# KiCad board Nearfield RP2040.kicad_pcb
title: Royal Nearfield PCB; date: 2024-01-07; rev: v1.00; company: Tweety's Wild Thinking; note: Markus Knutsson <markus.knutsson@tweety.se>; note: https://github.com/TweetyDaBird; note: Licensed under Creative Commons BY-SA 4.0 International
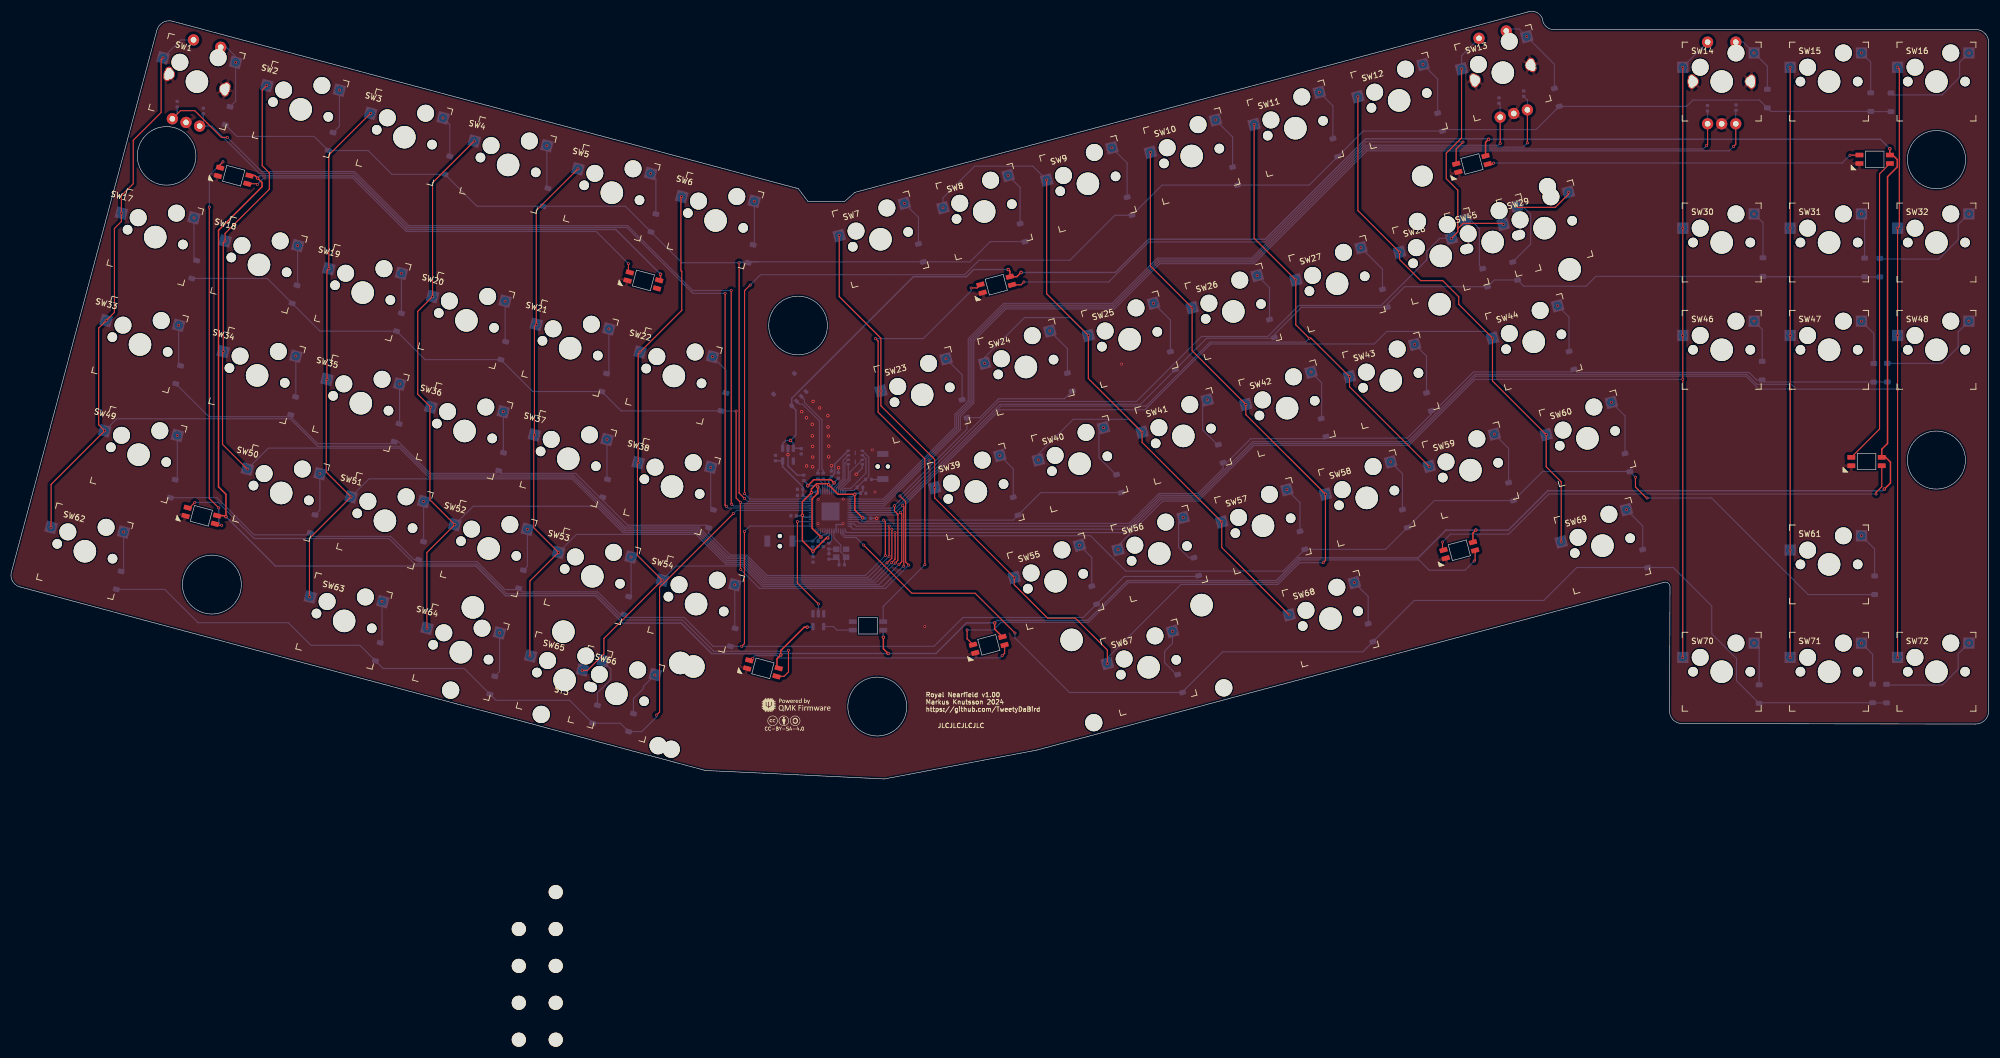
[diagram p0: board, top side]
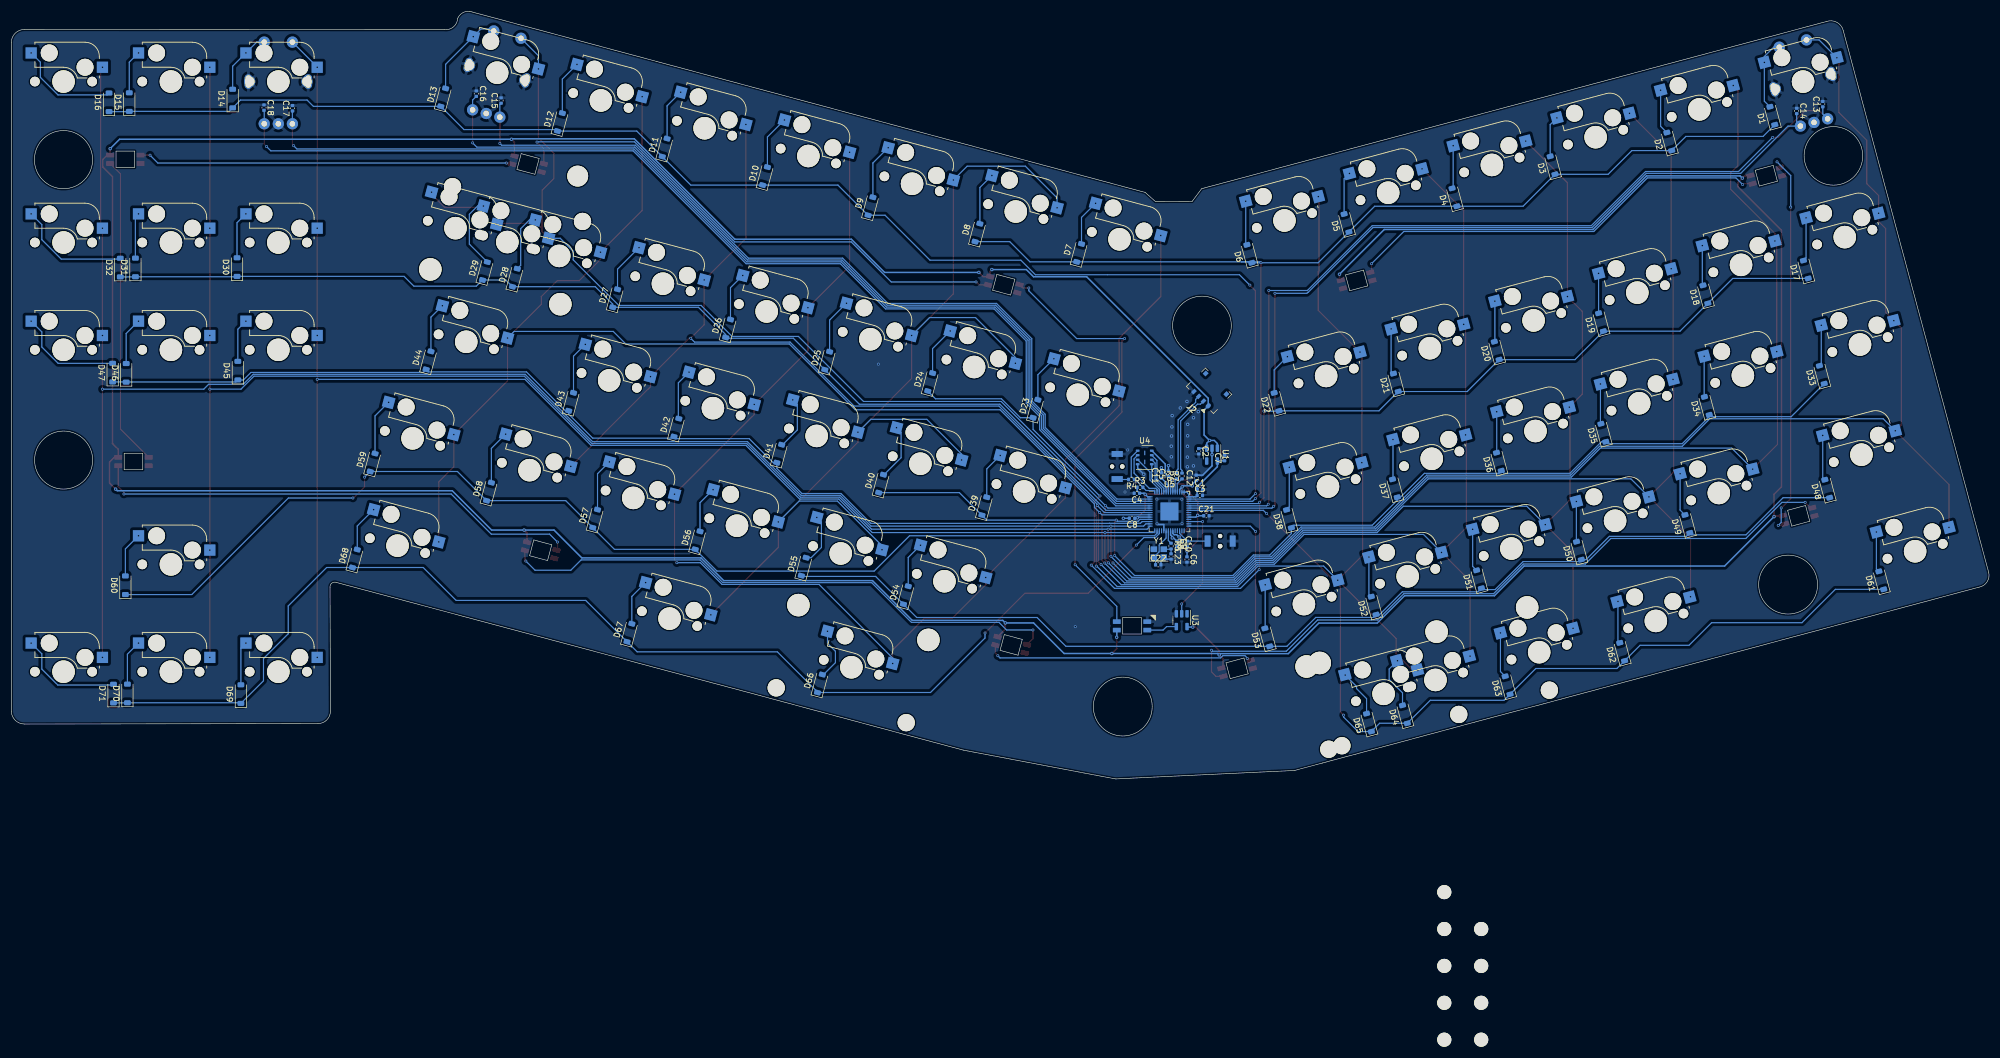
[diagram p1: board, bottom side, seen from below]

Outline 350.8 x 136.29 mm; copper layers: Top, Bottom. Coordinates in mm from the lower left corner of the outline.
Outline path: circle c27.55,110.62 r5.2 ; circle c35.59,34.5 r5.23 ; circle c139.57,80.5 r5.21 ; circle c153.62,12.85 r5.22 ; circle c341.52,56.61 r5.15 ; circle c341.54,109.95 r5.16 ; 271.61,135.02 arc(270.76,136) 269.49,136.29 149.65,104.14 147.85,102.53 141.31,102.54 139.63,104.79 28.8,134.46 arc(26.95,134.33) 25.81,132.86 0,36.63 arc(0.3,34.97) 1.71,34.05 75.8,14.19 78.95,13.34 91.29,10.06 95.34,8.96 112.33,4.39 118.15,2.83 123.14,1.5 154.87,0 181.89,5.11 190.98,7.54 217.87,14.77 293.09,34.88 arc(293.93,34.77) 294.26,33.99 294.18,12.06 arc(294.82,10.48) 296.39,9.82 348.46,9.75 arc(350.1,10.41) 350.8,12.03 350.8,130.73 arc(350.11,132.38) 348.46,133.06 273.99,133.04 arc(272.37,133.51) 271.61,135.02
Stack: Top 0.035mm / dielectric 1.51mm FR4 er 4.5 / Bottom 0.035mm

## Placement (name value [footprint] x y rotation side)
C1  1uF  [C_0402_1005Metric]  139.94 51.42 180 bottom
C2  1uF  [C_0402_1005Metric]  140.14 58.17 270 bottom
C3  100nF  [C_0402_1005Metric]  139.95 50.32 180 bottom
C4  100nF  [C_0402_1005Metric]  151.12 50.71 0 bottom
C5  100nF  [C_0402_1005Metric]  145.52 54.15 90 bottom
C6  100nF  [C_0402_1005Metric]  142.24 38.96 270 bottom
C7  1uF  [C_0402_1005Metric]  135.57 56.96 90 bottom
C8  100nF  [C_0402_1005Metric]  151.98 46.28 0 bottom
C9  100nF  [C_0402_1005Metric]  144.04 41.72 270 bottom
C10  1uF  [C_0402_1005Metric]  143.12 41.72 270 bottom
C11  100nF  [C_0402_1005Metric]  146.73 53.86 90 bottom
C12  100nF  [C_0402_1005Metric]  140.6 53.45 90 bottom
C13  100nF  [C_0402_1005Metric]  29.44 119.8 90 bottom
C14  100nF  [C_0402_1005Metric]  34.07 118.59 270 bottom
C15  100nF  [C_0402_1005Metric]  263.91 120.44 90 bottom
C16  100nF  [C_0402_1005Metric]  268.31 121.66 270 bottom
C17  100nF  [C_0402_1005Metric]  300.91 119.07 90 bottom
C18  100nF  [C_0402_1005Metric]  305.97 119.18 270 bottom
C21  100nF  [C_0402_1005Metric]  138.79 46.72 180 bottom
C22  30pF  [C_0402_1005Metric]  147.33 38.01 180 bottom
C23  30pF  [C_0402_1005Metric]  145.06 39.49 270 bottom
D1  1N4148W  [D_SOD-123]  38.38 117.74 75 bottom
D2  1N4148W  [D_SOD-123]  56.66 113.16 75 bottom
D3  1N4148W  [D_SOD-123]  77.37 108.94 75 bottom
D4  1N4148W  [D_SOD-123]  94.78 103.27 75 bottom
D5  1N4148W  [D_SOD-123]  113.93 98.7 75 bottom
D6  1N4148W  [D_SOD-123]  131.17 93.23 75 bottom
D7  1N4148W  [D_SOD-123]  161.37 93.39 105 bottom
D8  1N4148W  [D_SOD-123]  179.4 96.98 105 bottom
D9  1N4148W  [D_SOD-123]  198.38 101.68 105 bottom
D10  1N4148W  [D_SOD-123]  217.09 107.03 105 bottom
D11  1N4148W  [D_SOD-123]  234.89 112.09 105 bottom
D12  1N4148W  [D_SOD-123]  253.47 116.61 105 bottom
D13  1N4148W  [D_SOD-123]  274.18 121 105 bottom
D14  1N4148W  [D_SOD-123]  311.53 120.79 90 bottom
D15  1N4148W  [D_SOD-123]  329.87 120.17 90 bottom
D16  1N4148W  [D_SOD-123]  333.46 120.13 90 bottom
D17  1N4148W  [D_SOD-123]  32.45 90.45 75 bottom
D18  1N4148W  [D_SOD-123]  50.26 86.03 75 bottom
D19  1N4148W  [D_SOD-123]  68.78 81.09 75 bottom
D20  1N4148W  [D_SOD-123]  87.28 76.03 75 bottom
D21  1N4148W  [D_SOD-123]  105.18 70.37 75 bottom
D22  1N4148W  [D_SOD-123]  126.34 66.94 75 bottom
D23  1N4148W  [D_SOD-123]  169.11 65.72 105 bottom
D24  1N4148W  [D_SOD-123]  187.79 70.46 105 bottom
D25  1N4148W  [D_SOD-123]  206.06 74.25 105 bottom
D26  1N4148W  [D_SOD-123]  223.64 79.97 105 bottom
D27  1N4148W  [D_SOD-123]  243.68 85.33 105 bottom
D28  1N4148W  [D_SOD-123]  261.46 88.99 105 bottom
D29  1N4148W  [D_SOD-123]  266.78 90.17 105 bottom
D30  1N4148W  [D_SOD-123]  310.75 90.87 90 bottom
D31  1N4148W  [D_SOD-123]  328.78 90.81 90 bottom
D32  1N4148W  [D_SOD-123]  331.47 90.78 90 bottom
D33  1N4148W  [D_SOD-123]  29.61 71.77 75 bottom
D34  1N4148W  [D_SOD-123]  50.01 66.24 75 bottom
D35  1N4148W  [D_SOD-123]  68.37 61.46 75 bottom
D36  1N4148W  [D_SOD-123]  86.9 56.32 75 bottom
D37  1N4148W  [D_SOD-123]  105.35 51.6 75 bottom
D38  1N4148W  [D_SOD-123]  124.14 46.19 75 bottom
D39  1N4148W  [D_SOD-123]  178.18 48.42 105 bottom
D40  1N4148W  [D_SOD-123]  196.5 52.42 105 bottom
D41  1N4148W  [D_SOD-123]  214.56 57.75 105 bottom
D42  1N4148W  [D_SOD-123]  232.81 62.38 105 bottom
D43  1N4148W  [D_SOD-123]  251.49 66.96 105 bottom
D44  1N4148W  [D_SOD-123]  276.78 74.31 105 bottom
D45  1N4148W  [D_SOD-123]  310.61 72.48 90 bottom
D46  1N4148W  [D_SOD-123]  330.42 72.09 90 bottom
D47  1N4148W  [D_SOD-123]  332.82 72.13 90 bottom
D48  1N4148W  [D_SOD-123]  28.65 51.52 75 bottom
D49  1N4148W  [D_SOD-123]  53.46 45.27 75 bottom
D50  1N4148W  [D_SOD-123]  72.7 40.52 75 bottom
D51  1N4148W  [D_SOD-123]  90.43 35.45 75 bottom
D52  1N4148W  [D_SOD-123]  109.11 30.77 75 bottom
D53  1N4148W  [D_SOD-123]  127.99 25.14 75 bottom
D54  1N4148W  [D_SOD-123]  192.11 32.62 105 bottom
D55  1N4148W  [D_SOD-123]  210.22 37.69 105 bottom
D56  1N4148W  [D_SOD-123]  229.05 42.36 105 bottom
D57  1N4148W  [D_SOD-123]  247.23 46.22 105 bottom
D58  1N4148W  [D_SOD-123]  266.06 51.01 105 bottom
D59  1N4148W  [D_SOD-123]  286.7 56.18 105 bottom
D60  1N4148W  [D_SOD-123]  330.56 34.39 90 bottom
D61  1N4148W  [D_SOD-123]  19.06 35.25 75 bottom
D62  1N4148W  [D_SOD-123]  65.03 22.57 75 bottom
D63  1N4148W  [D_SOD-123]  85.35 16.62 75 bottom
D64  1N4148W  [D_SOD-123]  103.57 11.48 75 bottom
D65  1N4148W  [D_SOD-123]  109.95 10 75 bottom
D66  1N4148W  [D_SOD-123]  207.35 16.94 105 bottom
D67  1N4148W  [D_SOD-123]  241.14 25.96 105 bottom
D68  1N4148W  [D_SOD-123]  289.85 39.13 105 bottom
D69  1N4148W  [D_SOD-123]  310.07 15.06 90 bottom
D70  1N4148W  [D_SOD-123]  330.2 15.17 90 bottom
D71  1N4148W  [D_SOD-123]  332.67 15.15 90 bottom
ENC1  RotaryEncoder_Switch  [Encoder_Alps_EC11E_Small]  32.94 123.8 75 top
ENC2  RotaryEncoder_Switch  [Encoder_Alps_EC11E_Small]  264.6 125.39 105 top
ENC3  RotaryEncoder_Switch  [Encoder_Alps_EC11E_Small]  303.43 123.81 90 top
H1  Spacer_PCB  [Spacer PCB hole]  250.32 107.02 0 top
H2  Spacer_PCB  [Spacer Plate hole]  90.04 -26.65 0 top
H3  Spacer_PCB  [Spacer Plate hole]  90.04 -33.2 0 top
H4  Spacer_PCB  [Spacer Plate hole]  90.04 -39.75 0 top
H5  Spacer_PCB  [Spacer Plate hole]  90.04 -46.3 0 top
H6  Spacer_PCB  [Spacer Plate hole]  96.59 -20.1 0 top
H7  Spacer_PCB  [Spacer Plate hole]  96.59 -26.65 0 top
H8  Spacer_PCB  [Spacer Plate hole]  96.59 -33.2 0 top
H9  Spacer_PCB  [Spacer Plate hole]  96.59 -39.75 0 top
H10  Spacer_PCB  [Spacer Plate hole]  96.59 -46.3 0 top
J2  Conn_01x04  [MOLEX_781710004]  139.73 67.5 45 bottom
Logo1  QMK_Logo  [Powered_by_QMK]  139.26 13.14 0 top
Logo2  CC-BY-SA-4.0  [CC_BY_SA_40_tiny]  137.06 10.32 0 top
R3  10K  [R_0402_1005Metric]  150.56 51.77 180 bottom
R4  1K  [R_0402_1005Metric]  152.08 53.16 0 bottom
R5  1K  [R_0402_1005Metric]  145.06 41.34 270 bottom
R6  27R  [R_0402_1005Metric]  144.05 53.78 90 bottom
R7  27R  [R_0402_1005Metric]  143.11 53.78 90 bottom
R8  10K  [R_0402_1005Metric]  142.19 41.71 90 bottom
RGB1  SK6812MINI-E  [RGB_SK6812MINI-E]  151.98 27.17 180 top
RGB2  SK6812MINI-E  [RGB_SK6812MINI-E]  174.74 87.74 195 bottom
RGB3  SK6812MINI-E  [RGB_SK6812MINI-E]  259.12 109.18 195 bottom
RGB4  SK6812MINI-E  [RGB_SK6812MINI-E]  330.56 110.01 180 bottom
RGB5  SK6812MINI-E  [RGB_SK6812MINI-E]  329.12 56.35 180 bottom
RGB6  SK6812MINI-E  [RGB_SK6812MINI-E]  256.88 40.6 195 bottom
RGB7  SK6812MINI-E  [RGB_SK6812MINI-E]  173.42 23.8 195 bottom
RGB8  SK6812MINI-E  [RGB_SK6812MINI-E]  133.34 19.63 165 bottom
RGB9  SK6812MINI-E  [RGB_SK6812MINI-E]  33.72 46.71 165 bottom
RGB10  SK6812MINI-E  [RGB_SK6812MINI-E]  39.46 107.09 165 bottom
RGB11  SK6812MINI-E  [RGB_SK6812MINI-E]  112.14 88.5 165 bottom
RS1  -  [YTSA010]  154.61 55.46 270 bottom
RS2  -  [YTSA010]  136.35 42.22 0 bottom
ST1  Stabilizer_2u_MX  [Stabilizer_Cherry_MX_2.00u]  262.8 95.32 15 top
ST2  Stabilizer_2u_MX  [Stabilizer_Cherry_MX_2.00u]  107.35 15.11 165 top
ST3  Stabilizer_2u_MX  [Stabilizer_Cherry_MX_3.00u]  98.15 17.57 165 top
ST4  Stabilizer_2u_MX  [Stabilizer_Cherry_MX_2.00u]  201.76 19.83 195 top
SW1  ~  [SW_MX_HotSwap_FOR ENCODER]  32.94 123.8 345 top
SW2  ~  [SW_MX_HotSwap]  51.34 118.87 345 top
SW3  ~  [SW_MX_HotSwap]  69.74 113.94 345 top
SW4  ~  [SW_MX_HotSwap]  88.14 109.01 345 top
SW5  ~  [SW_MX_HotSwap]  106.54 104.08 345 top
SW6  ~  [SW_MX_HotSwap]  124.94 99.15 345 top
SW7  ~  [SW_MX_HotSwap]  154.2 95.8 15 top
SW8  ~  [SW_MX_HotSwap]  172.6 100.73 15 top
SW9  ~  [SW_MX_HotSwap]  191 105.66 15 top
SW10  ~  [SW_MX_HotSwap]  209.4 110.6 15 top
SW11  ~  [SW_MX_HotSwap]  227.8 115.53 15 top
SW12  ~  [SW_MX_HotSwap]  246.2 120.46 15 top
SW13  ~  [SW_MX_HotSwap_FOR ENCODER]  264.6 125.39 15 top
SW14  ~  [SW_MX_HotSwap_FOR ENCODER]  303.43 123.81 0 top
SW15  ~  [SW_MX_HotSwap]  322.48 123.81 0 top
SW16  ~  [SW_MX_HotSwap]  341.53 123.81 0 top
SW17  ~  [SW_MX_HotSwap]  25.54 96.2 345 top
SW18  ~  [SW_MX_HotSwap]  43.94 91.27 345 top
SW19  ~  [SW_MX_HotSwap]  62.34 86.34 345 top
SW20  ~  [SW_MX_HotSwap]  80.74 81.41 345 top
SW21  ~  [SW_MX_HotSwap]  99.14 76.47 345 top
SW22  ~  [SW_MX_HotSwap]  117.54 71.54 345 top
SW23  ~  [SW_MX_HotSwap]  161.59 68.2 15 top
SW24  ~  [SW_MX_HotSwap]  179.99 73.13 15 top
SW25  ~  [SW_MX_HotSwap]  198.4 78.06 15 top
SW26  ~  [SW_MX_HotSwap]  216.8 82.99 15 top
SW27  ~  [SW_MX_HotSwap]  235.2 87.92 15 top
SW28  ~  [SW_MX_HotSwap]  253.6 92.85 15 top
SW29  ~  [SW_MX_HotSwap]  272 97.79 15 top
SW30  ~  [SW_MX_HotSwap]  303.43 95.24 0 top
SW31  ~  [SW_MX_HotSwap]  322.48 95.24 0 top
SW32  ~  [SW_MX_HotSwap]  341.53 95.24 0 top
SW33  ~  [SW_MX_HotSwap]  22.84 77.12 345 top
SW34  ~  [SW_MX_HotSwap]  43.61 71.63 345 top
SW35  ~  [SW_MX_HotSwap]  62.01 66.7 345 top
SW36  ~  [SW_MX_HotSwap]  80.41 61.77 345 top
SW37  ~  [SW_MX_HotSwap]  98.81 56.84 345 top
SW38  ~  [SW_MX_HotSwap]  117.21 51.91 345 top
SW39  ~  [SW_MX_HotSwap]  171.12 51.03 15 top
SW40  ~  [SW_MX_HotSwap]  189.53 55.96 15 top
SW41  ~  [SW_MX_HotSwap]  207.93 60.9 15 top
SW42  ~  [SW_MX_HotSwap]  226.33 65.83 15 top
SW43  ~  [SW_MX_HotSwap]  244.73 70.76 15 top
SW44  ~  [SW_MX_HotSwap]  270.09 77.61 15 top
SW45  ~  [SW_MX_HotSwap]  262.8 95.32 15 top
SW46  ~  [SW_MX_HotSwap]  303.43 76.19 0 top
SW47  ~  [SW_MX_HotSwap]  322.48 76.19 0 top
SW48  ~  [SW_MX_HotSwap]  341.53 76.19 0 top
SW49  ~  [SW_MX_HotSwap]  22.58 57.57 345 top
SW50  ~  [SW_MX_HotSwap]  47.88 50.77 345 top
SW51  ~  [SW_MX_HotSwap]  66.28 45.84 345 top
SW52  ~  [SW_MX_HotSwap]  84.68 40.91 345 top
SW53  ~  [SW_MX_HotSwap]  103.08 35.97 345 top
SW54  ~  [SW_MX_HotSwap]  121.48 31.04 345 top
SW55  ~  [SW_MX_HotSwap]  185.26 35.1 15 top
SW56  ~  [SW_MX_HotSwap]  203.66 40.03 15 top
SW57  ~  [SW_MX_HotSwap]  222.06 44.96 15 top
SW58  ~  [SW_MX_HotSwap]  240.46 49.89 15 top
SW59  ~  [SW_MX_HotSwap]  258.86 54.82 15 top
SW60  ~  [SW_MX_HotSwap]  279.61 60.47 15 top
SW61  ~  [SW_MX_HotSwap]  322.48 38.09 0 top
SW62  ~  [SW_MX_HotSwap]  13.06 40.42 345 top
SW63  ~  [SW_MX_HotSwap]  59.05 28.05 345 top
SW64  ~  [SW_MX_HotSwap]  79.75 22.5 345 top
SW65  ~  [SW_MX_HotSwap]  98.15 17.57 345 top
SW66  ~  [SW_MX_HotSwap]  107.35 15.11 345 top
SW67  ~  [SW_MX_HotSwap]  201.76 19.83 15 top
SW68  ~  [SW_MX_HotSwap]  234.02 28.46 15 top
SW69  ~  [SW_MX_HotSwap]  282.28 41.42 15 top
SW70  ~  [SW_MX_HotSwap]  303.43 19.04 0 top
SW71  ~  [SW_MX_HotSwap]  322.48 19.04 0 top
SW72  ~  [SW_MX_HotSwap]  341.53 19.04 0 top
U1  SPX3819M5-L-3-3/TR  [SOT-23-5]  137.79 57.57 270 bottom
U3  SN74LV1T34DBV  [SOT-23-5]  143.17 28.18 270 bottom
U4  W25Q32JVUUIQ  [USON-8_4x3mm_P0.8mm]  149.73 57.07 180 bottom
U5  RP2040  [QFN-56-1EP_7x7mm_P0.4mm_EP3.2x3.2mm]  145.34 47.49 180 bottom
Y1  TXM12M0004252LBCEO00T  [Crystal_SMD_2520-4Pin_2.5x2.0mm]  147.22 40.07 180 bottom

## Library data of the parts
C1 C2 C7 C10 = -: Description: Unpolarized capacitor; LCSC: C52923
C3-C6 C8 C9 C11 C12 C21 = -: Description: Unpolarized capacitor; LCSC: C1525
C13-C18 = -: Description: Unpolarized capacitor, small symbol; LCSC: C1525
C22 C23 = -: Description: Unpolarized capacitor; LCSC: C1570
D1-D71 = -: Description: 75V 0.15A Fast Switching Diode, SOD-123; LCSC: C81598
ENC1-ENC3 = -: Description: Rotary encoder, dual channel, incremental quadrate outputs, with switch
J2 = -: Description: Generic connector, single row, 01x04, script generated (kicad-library-utils/schlib/autogen/connector/); LCSC: C588524
R3 R8 = -: Description: Resistor; LCSC: C25744
R4 R5 = -: Description: Resistor; LCSC: C11702
R6 R7 = -: Description: Resistor, small symbol; LCSC: C321419
RGB1-RGB11 = -: Description: Reverse-mount RGB LED with integrated controller; Field4: 1
RS1 RS2 = -: Description: Push button switch, generic, two pins; LCSC: C967783
SW1 SW13 SW14 = -: Description: Push button switch, generic, two pins
SW2-SW12 SW15-SW72 = -: Description: Push button switch, generic, two pins; LCSC: C2803348
U1 = -: Description: 500mA Low drop-out regulator, Fixed Output 3.3V, SOT-23-5; LCSC: C9055
U3 = -: Description: Single Power Supply, Single Buffer GATE, CMOS Logic, Level Shifter, SOT-23-5; LCSC: C100024
U4 = -: Description: 32Mb Serial Flash Memory, Standard/Dual/Quad SPI, SOIC-8; LCSC: C2999380
U5 = -: Description: A microcontroller by Raspberry Pi; LCSC: C2040
Y1 = -: Description: Four pin crystal, GND on pins 2 and 4; LCSC: C284156

## Footprints (pads in the part's own frame, mm; a bottom-side part is the same pattern mirrored in y, then rotated)
C_0402_1005Metric
  rrect 0.56x0.62 smd: 1(-0.48,0) 2(0.48,0)
Crystal_SMD_2520-4Pin_2.5x2.0mm
  rect 1.15x1 smd: 1(-0.875,-0.7) 2(0.875,-0.7) 3(0.875,0.7) 4(-0.875,0.7)
D_SOD-123
  rrect 0.9x1.2 smd: 1(-1.65,0) 2(1.65,0)
Encoder_Alps_EC11E_Small
  round 2 hole 1: A(-7.5,2.5) B(-7.5,-2.5) C(-7.5,0) S1(7,-2.5) S2(7,2.5)
  oval 2.6x1.4 hole 2.2x1: MP1(0,5.3) MP2(0,-5.3)
MOLEX_781710004
  rrect 0.75x1 smd: 1(-1.8,0)
  rect 0.6x0.85 smd: 2(-0.6,0) 3(0.6,0) 4(1.8,0)
  rect 0.7x0.8 smd: MP(-2.6,-3.75) MP(2.6,-3.75)
QFN-56-1EP_7x7mm_P0.4mm_EP3.2x3.2mm
  rrect 1.29x1.29 smd: (-0.8,-0.8) (-0.8,0.8) (0.8,-0.8) (0.8,0.8)
  rrect 0.875x0.2 smd: 1(-3.438,2.6) 2(-3.438,2.2) 3(-3.438,1.8) 4(-3.438,1.4) 5(-3.438,1) 6(-3.438,0.6) 7(-3.438,0.2) 8(-3.438,-0.2) 9(-3.438,-0.6) 10(-3.438,-1) 11(-3.438,-1.4) 12(-3.438,-1.8) 13(-3.438,-2.2) 14(-3.438,-2.6) 29(3.438,-2.6) 30(3.438,-2.2) 31(3.438,-1.8) 32(3.438,-1.4) 33(3.438,-1) 34(3.438,-0.6) 35(3.438,-0.2) 36(3.438,0.2) 37(3.438,0.6) 38(3.438,1) 39(3.438,1.4) 40(3.438,1.8) 41(3.438,2.2) 42(3.438,2.6)
  rrect 0.2x0.875 smd: 15(-2.6,-3.438) 16(-2.2,-3.438) 17(-1.8,-3.438) 18(-1.4,-3.438) 19(-1,-3.438) 20(-0.6,-3.438) 21(-0.2,-3.438) 22(0.2,-3.438) 23(0.6,-3.438) 24(1,-3.438) 25(1.4,-3.438) 26(1.8,-3.438) 27(2.2,-3.438) 28(2.6,-3.438) 43(2.6,3.438) 44(2.2,3.438) 45(1.8,3.438) 46(1.4,3.438) 47(1,3.438) 48(0.6,3.438) 49(0.2,3.438) 50(-0.2,3.438) 51(-0.6,3.438) 52(-1,3.438) 53(-1.4,3.438) 54(-1.8,3.438) 55(-2.2,3.438) 56(-2.6,3.438)
  rect 3.2x3.2 smd: 57(0,0)
R_0402_1005Metric
  rrect 0.54x0.64 smd: 1(-0.51,0) 2(0.51,0)
RGB_SK6812MINI-E
  rrect 1.4x0.82 smd far side: 1(-2.7,0.75) 2(-2.7,-0.75) 3(2.7,-0.75) 4(2.7,0.75)
SOT-23-5
  rrect 1.325x0.6 smd: 1(-1.137,0.95) 2(-1.137,0) 3(-1.137,-0.95) 4(1.137,-0.95) 5(1.137,0.95)
Spacer PCB hole
  round 3.7 hole 3.7 unplated: (0,0)
Spacer Plate hole
  round 2.5 hole 2.5 unplated: (0,0)
Stabilizer_Cherry_MX_2.00u
  round 3.048 hole 3.048 unplated: (-11.938,6.985) (11.938,6.985)
  round 3.988 hole 3.988 unplated: (-11.938,-8.225) (11.938,-8.225)
Stabilizer_Cherry_MX_3.00u
  round 3.048 hole 3.048 unplated: (-19.05,6.985) (19.05,6.985)
  round 3.988 hole 3.988 unplated: (-19.05,-8.225) (19.05,-8.225)
SW_MX_HotSwap
  round 1.702 hole 1.702 unplated: (-5.08,0) (5.08,0)
  round 3 hole 3 unplated: (-3.81,2.54) (2.54,5.08)
  round 3.988 hole 3.988 unplated: (0,0)
  rect 2x2 smd far side: 1(-6.9,2.54) 2(5.75,5.08)
SW_MX_HotSwap_FOR ENCODER
  round 3 hole 3 unplated: (-3.81,2.54) (2.54,5.08)
  round 3.988 hole 3.988 unplated: (0,0)
  rect 2x2 smd far side: 1(-6.9,2.54) 2(5.75,5.08)
  round 2 hole 1.702: 3(-5.08,0) 3(5.08,0)
USON-8_4x3mm_P0.8mm
  rrect 0.75x1.21 smd: (0,-0.8) (0,0.8)
  rrect 0.65x0.4 smd: 1(-1.25,1.2) 2(-1.25,0.4) 3(-1.25,-0.4) 4(-1.25,-1.2) 5(1.25,-1.2) 6(1.25,-0.4) 7(1.25,0.4) 8(1.25,1.2)
  rect 0.2x0.8 smd: 9(0,-0.8) 9(0,0.8)
YTSA010
  round 0.75 hole 0.8 unplated: (0,-0.9)
  round 0.8 hole 0.8 unplated: (0,0.9)
  rect 1.05x2 smd: 1(-2.225,0) 2(2.225,0)
